# Altium PCB Enigma Rev A.PcbDoc (part 7 of 7)
Units mm, origin at the board's own origin, x right, y up, seen from the top; angles counter-clockwise.
Board outline 239.08 x 138 mm, 6 copper layers (Component Side, Ground Plane (GND), Inner Layer 1, Inner Layer 2, Power Plane (VCC), Solder Side), stack 1.297 mm thick; 563 components, 654 nets, 2409 pads, 1102 vias.
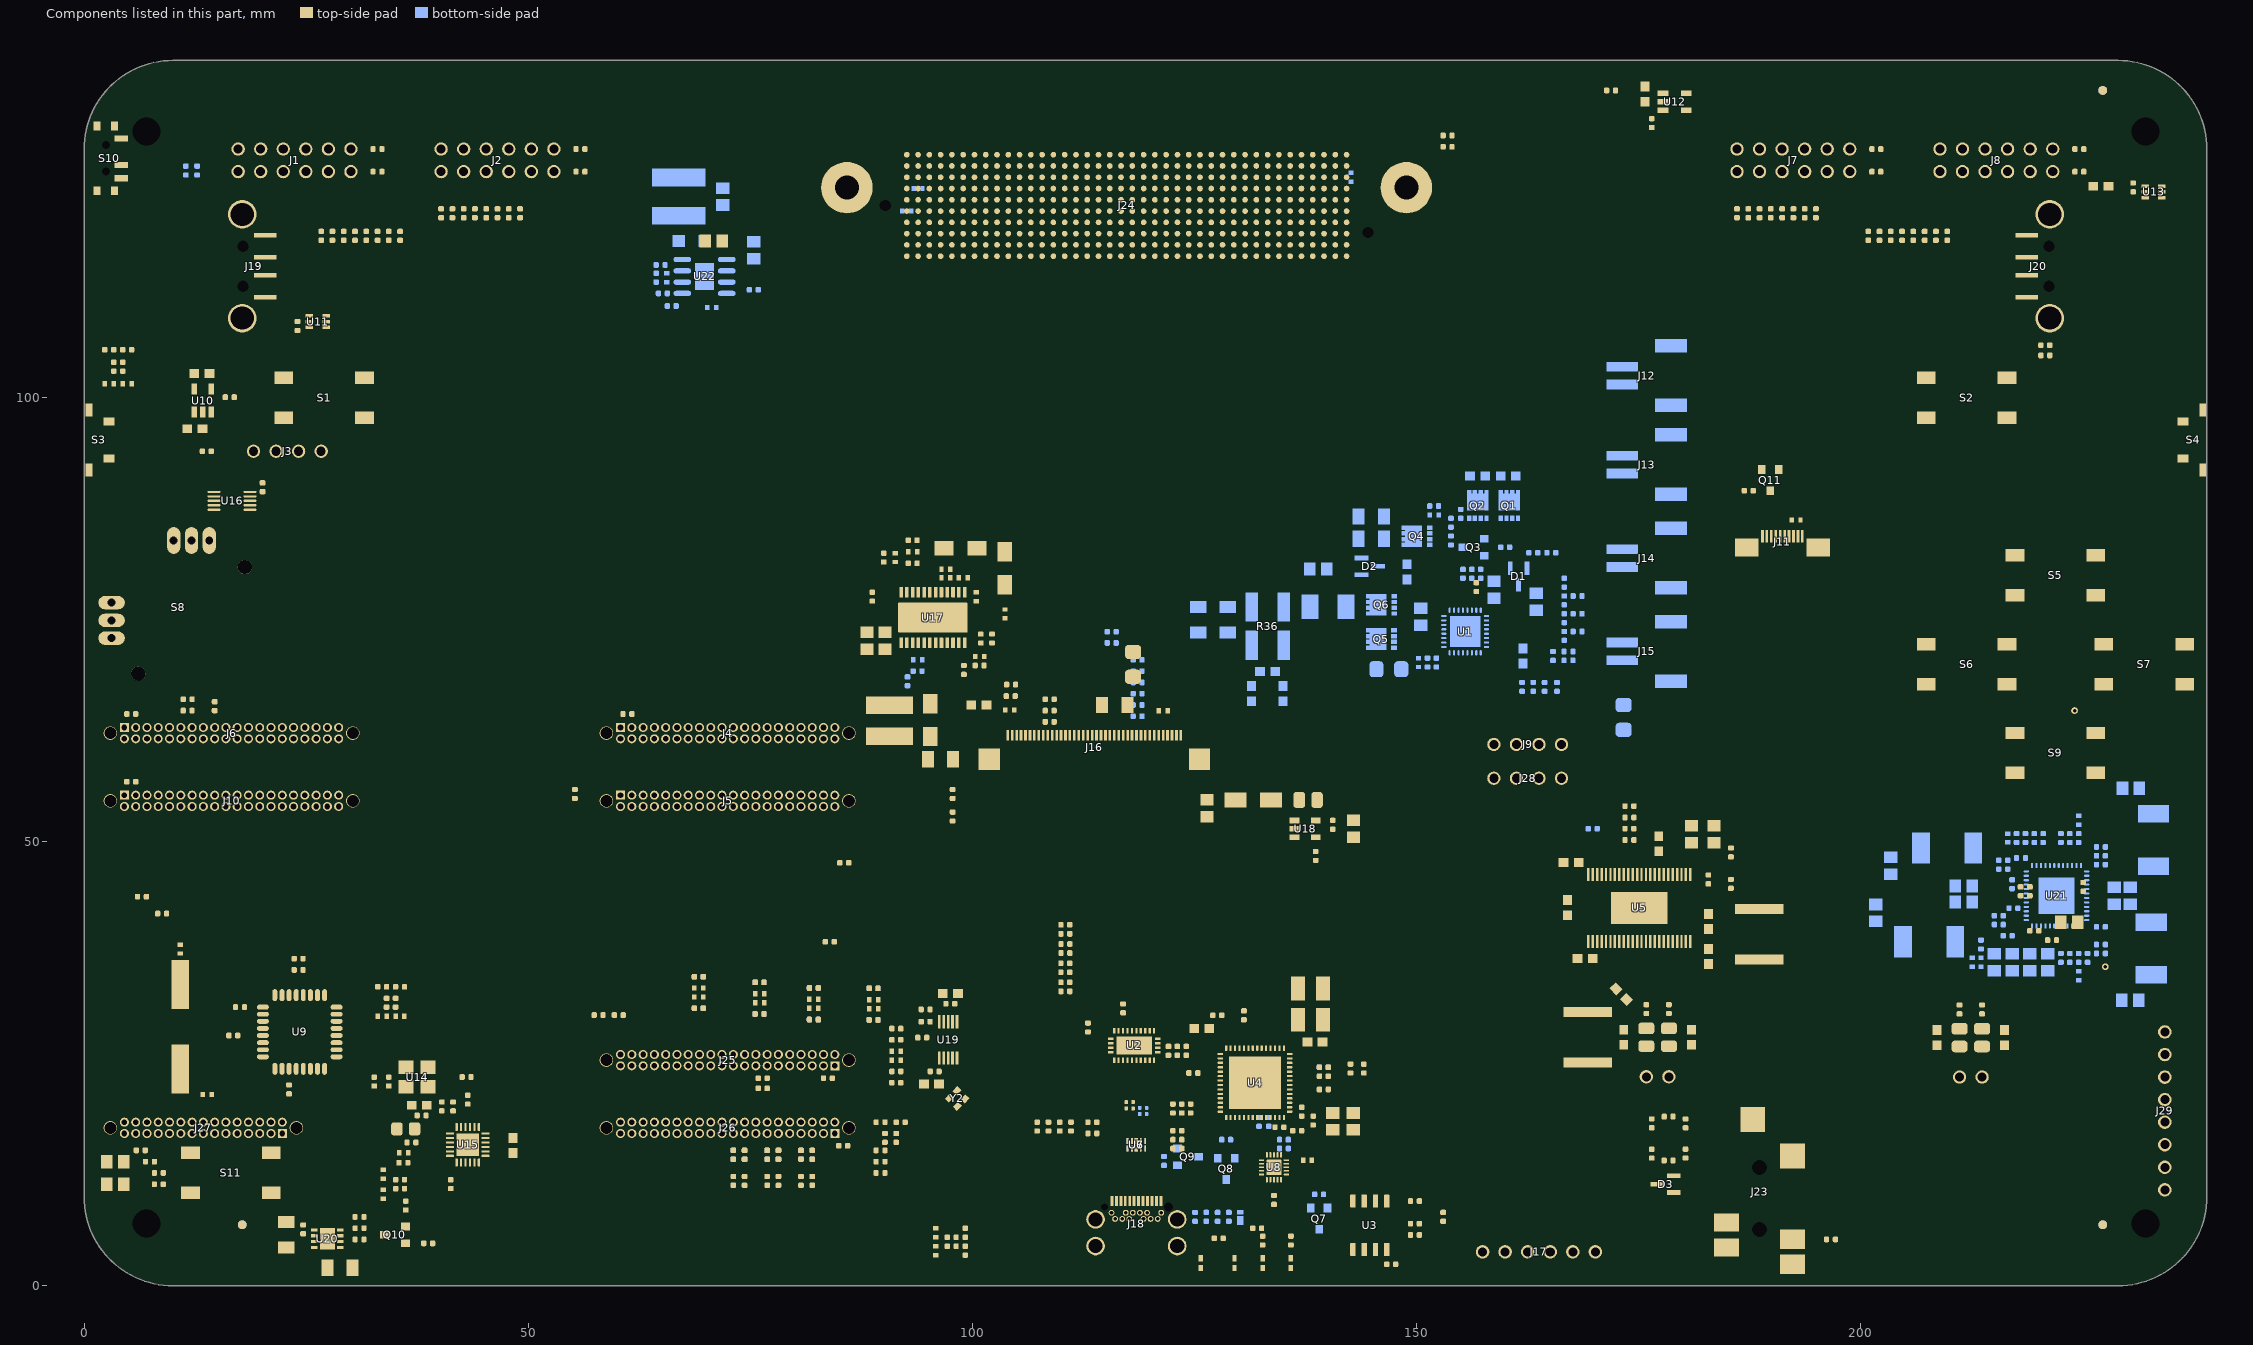
[diagram p11: the components of this part, seen from the top]

## Silkscreen, mask and mechanical layers (free items; w line width, h text height) (continued)
Drill Drawing:
  drawing of 162 lines, arcs and shapes, not listed
  text "Symbol" at -105.631,145.161 h1.83
  text "Hit Count" at -92.781,145.161 h1.83
  text "Finished Hole Size" at -75.057,145.161 h1.83
  text "Plated" at -40.879,145.161 h1.83
  text "Hole Type" at -28.029,145.161 h1.83
  text "1" at -92.781,141.351 h1.52
  text "31.50mil (0.800mm)" at -75.057,141.351 h1.52
  text "NPTH" at -40.879,141.351 h1.52
  text "Round" at -28.029,141.351 h1.52
  text "1" at -92.781,137.541 h1.52
  text "39.37mil (1.000mm)" at -75.057,137.541 h1.52
  text "NPTH" at -40.879,137.541 h1.52
  text "Round" at -28.029,137.541 h1.52
  text "2" at -92.781,133.731 h1.52
  text "15.00mil (0.381mm)" at -75.057,133.731 h1.52
  text "PTH" at -40.879,133.731 h1.52
  text "Round" at -28.029,133.731 h1.52
  text "E" at -106.37,133.477 h1.69
  text "2" at -92.781,129.921 h1.52
  text "35.43mil (0.900mm)" at -75.057,129.921 h1.52
  text "PTH" at -40.879,129.921 h1.52
  text "Round" at -28.029,129.921 h1.52
  text "F" at -106.37,129.667 h1.69
  text "2" at -92.781,126.111 h1.52
  text "50.00mil (1.270mm)" at -75.057,126.111 h1.52
  text "NPTH" at -40.879,126.111 h1.52
  text "Round" at -28.029,126.111 h1.52
  text "B" at -106.37,125.857 h1.69
  text "2" at -92.781,122.301 h1.52
  text "62.99mil (1.600mm)" at -75.057,122.301 h1.52
  text "PTH" at -40.879,122.301 h1.52
  text "Round" at -28.029,122.301 h1.52
  text "2" at -92.781,118.491 h1.52
  text "66.93mil (1.700mm)" at -75.057,118.491 h1.52
  text "NPTH" at -40.879,118.491 h1.52
  text "Round" at -28.029,118.491 h1.52
  text "2" at -92.781,114.681 h1.52
  text "106.30mil (2.700mm)" at -75.057,114.681 h1.52
  text "PTH" at -40.879,114.681 h1.52
  text "Round" at -28.029,114.681 h1.52
  text "A" at -106.37,114.427 h1.69
  text "4" at -92.781,110.871 h1.52
  text "49.21mil (1.250mm)" at -75.057,110.871 h1.52
  text "NPTH" at -40.879,110.871 h1.52
  text "Round" at -28.029,110.871 h1.52
  text "4" at -92.781,107.061 h1.52
  text "62.99mil (1.600mm)" at -75.057,107.061 h1.52
  text "PTH" at -40.879,107.061 h1.52
  text "Round" at -28.029,107.061 h1.52
  text "4" at -92.781,103.251 h1.52
  text "102.36mil (2.600mm)" at -75.057,103.251 h1.52
  text "PTH" at -40.879,103.251 h1.52
  text "Round" at -28.029,103.251 h1.52
  text "4" at -92.781,99.441 h1.52
  text "125.00mil (3.175mm)" at -75.057,99.441 h1.52
  text "NPTH" at -40.879,99.441 h1.52
  text "Round" at -28.029,99.441 h1.52
  text "6" at -92.781,95.631 h1.52
  text "35.43mil (0.900mm)" at -75.057,95.631 h1.52
  text "PTH" at -40.879,95.631 h1.52
  text "Round" at -28.029,95.631 h1.52
  text "12" at -92.781,91.821 h1.52
  text "15.75mil (0.400mm)" at -75.057,91.821 h1.52
  text "PTH" at -40.879,91.821 h1.52
  text "Round" at -28.029,91.821 h1.52
  text "14" at -92.781,88.011 h1.52
  text "53.00mil (1.346mm)" at -75.057,88.011 h1.52
  text "PTH" at -40.879,88.011 h1.52
  text "Round" at -28.029,88.011 h1.52
  text "61" at -92.781,84.201 h1.52
  text "7.87mil (0.200mm)" at -75.057,84.201 h1.52
  text "PTH" at -40.879,84.201 h1.52
  text "Round" at -28.029,84.201 h1.52
  text "D" at -106.37,83.947 h1.69
  text "78" at -92.781,80.391 h1.52
  text "40.00mil (1.016mm)" at -75.057,80.391 h1.52
  text "PTH" at -40.879,80.391 h1.52
  text "Round" at -28.029,80.391 h1.52
  text "270" at -92.781,76.581 h1.52
  text "25.00mil (0.635mm)" at -75.057,76.581 h1.52
  text "PTH" at -40.879,76.581 h1.52
  text "Round" at -28.029,76.581 h1.52
  text "1041" at -92.781,72.771 h1.52
  text "8.00mil (0.203mm)" at -75.057,72.771 h1.52
  text "PTH" at -40.879,72.771 h1.52
  text "Round" at -28.029,72.771 h1.52
  text "C" at -106.37,72.517 h1.69
  text "1512 Total" at -92.781,68.961 h1.52

## Text inside footprints (layer, text, board x,y; h text height)
J12: Bottom Overlay "POS" at 169.509,103.51 h1.02 r270; Bottom Overlay "NEG" at 169.509,99.51 h1.02 r270
J13: Bottom Overlay "POS" at 169.509,93.477 h1.02 r270; Bottom Overlay "NEG" at 169.509,89.477 h1.02 r270
J14: Bottom Overlay "POS" at 169.509,82.952 h1.02 r270; Bottom Overlay "NEG" at 174.117,76.327 h1.02
J15: Bottom Overlay "POS" at 169.545,71.12 h1.02 r270; Bottom Overlay "NEG" at 169.545,67.437 h1.02 r270